# Altium PCB fpgav2.2.PcbDoc (part 4 of 5)
Units mm, origin at the board's own origin, x right, y up, seen from the top; angles counter-clockwise.
Board outline 100 x 100 mm, 4 copper layers (Top Layer, S1, S2, Bottom Layer), stack 1.853 mm thick; 11 components, 223 nets, 672 pads, 762 vias.
Unrouted connection lines stored in the file: 7.
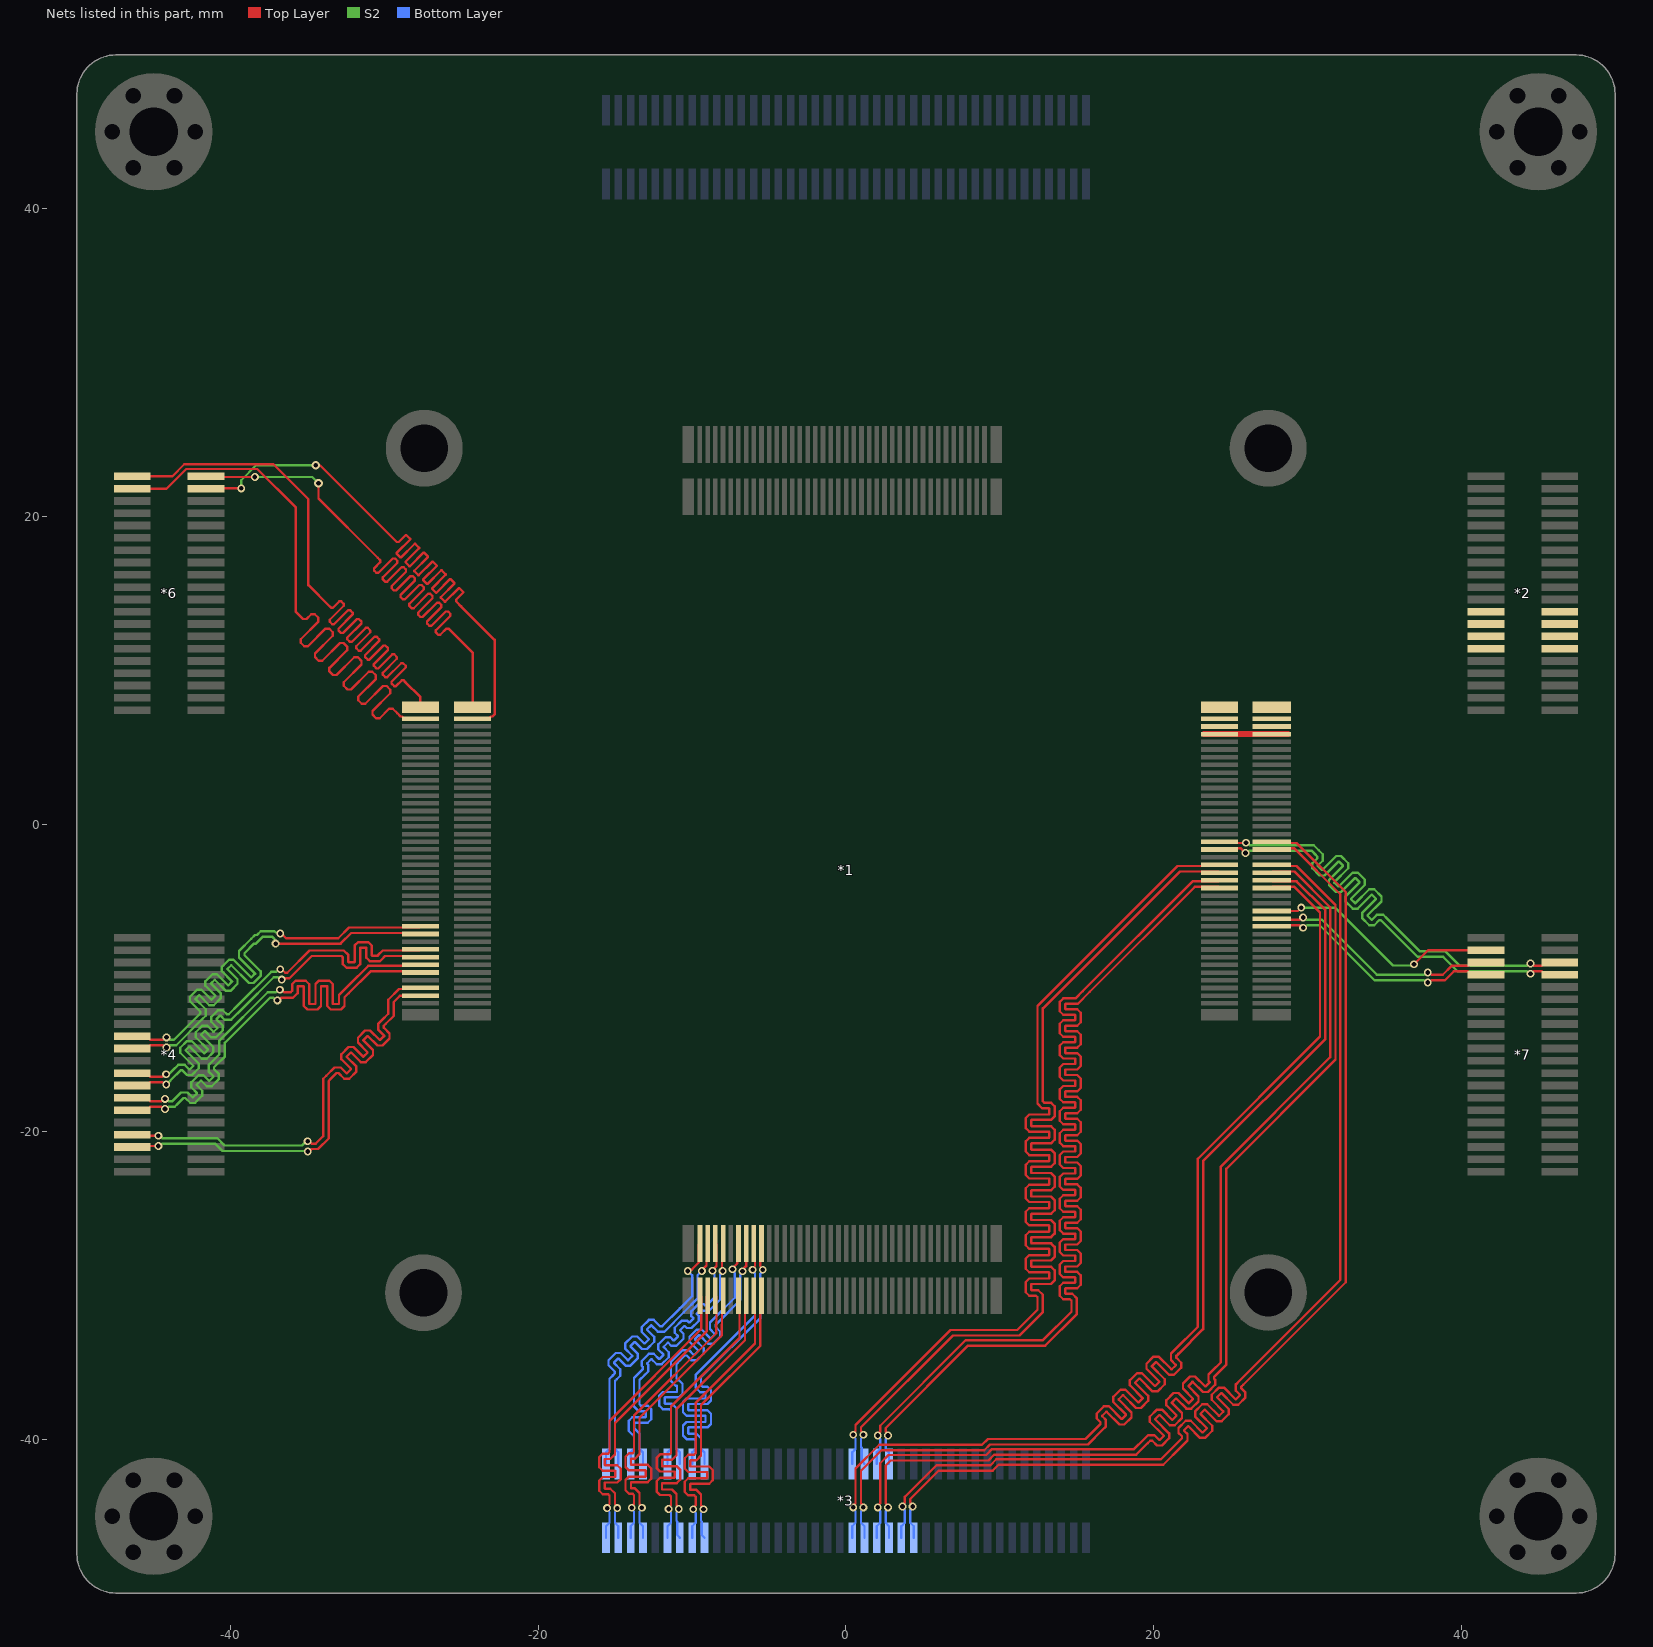
[diagram p6: the nets of this part, all layers, seen from the top]

## Via types
v1: diameter 0.508, hole 0.305, Top Layer to Bottom Layer, 418 vias
v2: diameter 0.635, hole 0.381, Top Layer to Bottom Layer, 340 vias
v3: diameter 0.559, hole 0.305, Top Layer to Bottom Layer, 4 vias

## Nets (pads, with @x,y where several pads share a name; then routed paths per layer and width w, separated by ;. In a path a pad name is that pad's centre, name@x,y a point inside that pad or via, vN(x,y) a via of type N, cw(c..) or ccw(c..) an arc to the next point about the centre after c; other vN are vias at no path point) (continued)
B16_L13_N: *1.303 *3.66 | length 20.9
  Top Layer w0.152: *1.303@-5.991,-27.272 -5.919,-27.344 -5.919,-28.733
  Bottom Layer w0.152: *3.66@-10,-41.6 -10,-40.85 -9.778,-40.628 -9.778,-40.259 -9.778,-40.079 -9.867,-39.989 -10.372,-39.989 -10.601,-39.761 -10.601,-39.1 -10.372,-38.872 -9.15,-38.872 -9.13,-38.851 -9.13,-38.486 -9.15,-38.465 -10.372,-38.465 -10.601,-38.237 -10.601,-37.576 -10.372,-37.348 -9.15,-37.348 -9.13,-37.327 -9.13,-36.962 -9.15,-36.941 -9.48,-36.941 -9.778,-36.644 -9.778,-36.046 -9.778,-35.818 -5.919,-31.959 -5.919,-29.23 -6.071,-29.078 v1(-6.071,-28.981)
B16_L13_P: *1.301 *3.64 | length 20.9
  Top Layer w0.152: -5.563,-28.733 -5.563,-27.344 *1.301@-5.491,-27.272
  Bottom Layer w0.152: *3.64@-9.2,-41.6 -9.2,-40.85 -9.422,-40.628 -9.422,-40.259 -9.422,-39.931 -9.72,-39.634 -10.225,-39.634 -10.245,-39.613 -10.245,-39.248 -10.225,-39.227 -9.003,-39.227 -8.774,-38.999 -8.774,-38.338 -9.003,-38.11 -10.225,-38.11 -10.245,-38.089 -10.245,-37.724 -10.225,-37.703 -9.003,-37.703 -8.774,-37.475 -8.774,-36.814 -9.003,-36.586 -9.333,-36.586 -9.422,-36.496 -9.422,-36.046 -9.422,-35.965 -5.563,-32.106 -5.563,-29.23 -5.411,-29.078 v1(-5.411,-28.981)
B16_L14_N: *1.304 *3.65 | length 20.9
  Top Layer w0.152: v1(-9.93,-44.552) -9.93,-44.455 -9.778,-44.303 -9.778,-43.917 -9.778,-43.736 -9.867,-43.647 -10.252,-43.647 -10.481,-43.418 -10.481,-42.758 -10.252,-42.529 -9.036,-42.529 -9.016,-42.509 -9.016,-42.143 -9.036,-42.123 -10.252,-42.123 -10.481,-41.894 -10.481,-41.234 -10.252,-41.005 -9.867,-41.005 -9.778,-40.916 -9.778,-40.628 -9.778,-37.633 -5.919,-33.774 -5.919,-30.743 *1.304@-5.991,-30.671
  Bottom Layer w0.152: *3.65@-10,-46.4 -10,-45.65 -9.778,-45.428 -9.778,-45.024 -9.778,-44.8
B16_L14_P: *1.302 *3.63 | length 20.9
  Top Layer w0.152: v1(-9.27,-44.552) -9.27,-44.455 -9.422,-44.303 -9.422,-43.917 -9.422,-43.589 -9.72,-43.291 -10.105,-43.291 -10.125,-43.271 -10.125,-42.905 -10.105,-42.885 -8.889,-42.885 -8.66,-42.656 -8.66,-41.996 -8.889,-41.767 -10.105,-41.767 -10.125,-41.747 -10.125,-41.381 -10.105,-41.361 -9.72,-41.361 -9.422,-41.063 -9.422,-40.628 -9.422,-37.78 -5.563,-33.922 -5.563,-30.743 *1.302@-5.491,-30.671
  Bottom Layer w0.152: -9.422,-44.8 -9.422,-45.171 -9.422,-45.298 -9.374,-45.346 -9.374,-46.226 *3.63@-9.2,-46.4
B16_L15_N: *1.307 *3.70 | length 21.1
  Top Layer w0.152: v1(-7.373,-28.944) -7.373,-28.878 -7.065,-28.57 -7.065,-27.346 *1.307@-6.991,-27.272
  Bottom Layer w0.152: *3.70@-11.6,-41.6 -11.6,-40.85 -11.378,-40.628 -11.378,-39.624 -11.378,-38.129 -11.467,-38.039 -11.911,-38.039 -12.14,-37.811 -12.14,-37.15 -11.911,-36.922 -11.005,-36.922 -10.984,-36.902 -10.984,-36.536 -11.005,-36.515 -11.08,-36.515 -11.378,-36.218 -11.378,-35.89 -11.378,-34.951 -11.035,-34.609 -10.628,-34.202 -10.208,-34.202 -9.894,-34.516 -9.865,-34.516 -9.606,-34.257 -9.606,-34.228 -10.174,-33.661 -10.174,-33.338 -9.707,-32.871 -9.383,-32.871 -8.816,-33.438 -8.787,-33.438 -8.529,-33.179 -8.529,-33.151 -8.843,-32.837 -8.843,-32.416 -8.611,-32.184 -7.227,-30.8 -7.227,-29.187 -7.373,-29.041 v1(-7.373,-28.944)
B16_L15_P: *1.305 *3.68 | length 21.1
  Top Layer w0.152: v1(-6.725,-29.073) -6.725,-28.977 -6.491,-28.743 -6.491,-27.416 -6.564,-27.344 *1.305@-6.491,-27.272
  Bottom Layer w0.152: *3.68@-10.8,-41.6 -10.8,-40.85 -11.022,-40.628 -11.022,-39.624 -11.022,-37.981 -11.32,-37.684 -11.764,-37.684 -11.784,-37.664 -11.784,-37.298 -11.764,-37.277 -10.857,-37.277 -10.629,-37.049 -10.629,-36.388 -10.857,-36.16 -10.933,-36.16 -11.022,-36.071 -11.022,-35.89 -11.022,-35.098 -10.784,-34.86 -10.481,-34.557 -10.355,-34.557 -10.041,-34.871 -9.717,-34.871 -9.251,-34.404 -9.251,-34.081 -9.818,-33.514 -9.818,-33.485 -9.559,-33.226 -9.531,-33.226 -8.963,-33.794 -8.64,-33.794 -8.173,-33.327 -8.173,-33.003 -8.487,-32.689 -8.487,-32.563 -8.359,-32.436 -6.871,-30.948 -6.871,-29.316 -6.725,-29.17 v1(-6.725,-29.073)
B16_L16_N: *1.308 *3.69 | length 21.1
  Top Layer w0.152: v1(-11.53,-44.526) -11.53,-44.43 -11.378,-44.278 -11.378,-43.891 -11.378,-43.711 -11.467,-43.622 -12.086,-43.622 -12.314,-43.393 -12.314,-42.733 -12.086,-42.504 -11.161,-42.504 -11.14,-42.484 -11.14,-42.118 -11.161,-42.098 -12.086,-42.098 -12.314,-41.869 -12.314,-41.209 -12.086,-40.98 -11.467,-40.98 -11.378,-40.891 -11.378,-39.421 -11.378,-37.877 -6.919,-33.419 -6.919,-30.743 *1.308@-6.991,-30.671
  Bottom Layer w0.152: *3.69@-11.6,-46.4 -11.6,-45.65 -11.378,-45.428 -11.378,-45.024 -11.378,-44.775
B16_L16_P: *1.306 *3.67 | length 21.1
  Top Layer w0.152: v1(-10.87,-44.526) -10.87,-44.43 -11.022,-44.278 -11.022,-43.891 -11.022,-43.564 -11.32,-43.266 -11.938,-43.266 -11.959,-43.246 -11.959,-42.88 -11.938,-42.86 -11.013,-42.86 -10.785,-42.631 -10.785,-41.971 -11.013,-41.742 -11.938,-41.742 -11.959,-41.722 -11.959,-41.356 -11.938,-41.336 -11.32,-41.336 -11.022,-41.038 -11.022,-39.421 -11.022,-38.025 -6.563,-33.566 -6.563,-30.743 *1.306@-6.491,-30.671
  Bottom Layer w0.152: -11.022,-44.775 -11.022,-45.171 -11.022,-45.298 -10.974,-45.346 -10.974,-46.226 *3.67@-10.8,-46.4
B16_L17_N: *1.313 *3.76 | length 21.4
  Top Layer w0.152: v1(-8.682,-29.038) -8.682,-29.007 -8.419,-28.744 -8.419,-27.344 *1.313@-8.491,-27.272
  Bottom Layer w0.152: *3.76@-14,-41.6 -14,-40.85 -13.778,-40.628 -13.778,-40.056 -13.778,-39.78 -13.867,-39.69 -13.89,-39.69 -14.119,-39.462 -14.119,-38.801 -13.89,-38.573 -13.036,-38.573 -13.016,-38.553 -13.016,-38.187 -13.036,-38.166 -13.48,-38.166 -13.778,-37.869 -13.778,-37.541 -13.778,-36.008 -13.332,-35.563 -13.205,-35.435 -13.205,-35.309 -13.282,-35.231 -13.282,-34.908 -12.815,-34.441 -12.492,-34.441 -12.161,-34.772 -12.133,-34.772 -11.874,-34.513 -11.874,-34.485 -12.205,-34.154 -12.205,-33.831 -11.738,-33.364 -11.414,-33.364 -11.208,-33.57 -11.179,-33.57 -10.92,-33.312 -10.92,-33.283 -11.127,-33.076 -11.127,-32.753 -10.66,-32.286 -10.337,-32.286 -10.211,-32.412 -10.182,-32.412 -9.923,-32.153 -9.923,-32.125 -10.049,-31.999 -10.049,-31.675 -9.582,-31.208 -9.259,-31.208 -9.182,-31.286 -9.056,-31.286 -8.805,-31.035 -8.545,-30.775 -8.545,-29.27 -8.682,-29.133 v1(-8.682,-29.038)
B16_L17_P: *1.311 *3.74 | length 21.4
  Top Layer w0.152: v1(-8.023,-29.065) -8.064,-29.024 -8.064,-27.344 *1.311@-7.991,-27.272
  Bottom Layer w0.152: *3.74@-13.2,-41.6 -13.2,-40.85 -13.422,-40.628 -13.422,-40.056 -13.422,-39.632 -13.72,-39.335 -13.743,-39.335 -13.763,-39.315 -13.763,-38.949 -13.743,-38.928 -12.889,-38.928 -12.66,-38.7 -12.66,-38.039 -12.889,-37.811 -13.333,-37.811 -13.422,-37.722 -13.422,-37.541 -13.422,-36.155 -13.081,-35.814 -12.849,-35.582 -12.849,-35.161 -12.927,-35.084 -12.927,-35.055 -12.668,-34.797 -12.639,-34.797 -12.309,-35.127 -11.985,-35.127 -11.518,-34.661 -11.518,-34.337 -11.849,-34.007 -11.849,-33.978 -11.59,-33.719 -11.562,-33.719 -11.355,-33.926 -11.032,-33.926 -10.565,-33.459 -10.565,-33.136 -10.771,-32.929 -10.771,-32.9 -10.513,-32.642 -10.484,-32.642 -10.358,-32.768 -10.035,-32.768 -9.568,-32.301 -9.568,-31.977 -9.694,-31.851 -9.694,-31.823 -9.435,-31.564 -9.406,-31.564 -9.329,-31.641 -8.908,-31.641 -8.554,-31.287 -8.19,-30.923 -8.19,-29.328 -8.023,-29.161 v1(-8.023,-29.065)
B16_L18_N: *1.314 *3.75 | length 21
  Top Layer w0.152: v1(-13.93,-44.45) -13.93,-44.354 -13.778,-44.201 -13.778,-43.815 -13.778,-43.635 -13.867,-43.545 -14.104,-43.545 -14.332,-43.317 -14.332,-42.656 -14.104,-42.428 -13.036,-42.428 -13.016,-42.407 -13.016,-42.042 -13.036,-42.021 -14.104,-42.021 -14.332,-41.793 -14.332,-41.132 -14.104,-40.904 -13.867,-40.904 -13.778,-40.814 -13.778,-40.628 -13.778,-38.446 -8.433,-33.101 -8.433,-32.393 -8.419,-32.38 -8.419,-30.743 *1.314@-8.491,-30.671
  Bottom Layer w0.152: *3.75@-14,-46.4 -14,-45.65 -13.778,-45.428 -13.778,-45.024 -13.778,-44.699
B16_L18_P: *1.312 *3.73 | length 21
  Top Layer w0.152: v1(-13.27,-44.45) -13.27,-44.354 -13.422,-44.201 -13.422,-43.815 -13.422,-43.487 -13.72,-43.19 -13.957,-43.19 -13.977,-43.169 -13.977,-42.804 -13.957,-42.783 -12.889,-42.783 -12.66,-42.555 -12.66,-41.894 -12.889,-41.666 -13.957,-41.666 -13.977,-41.645 -13.977,-41.28 -13.957,-41.259 -13.72,-41.259 -13.422,-40.962 -13.422,-40.628 -13.422,-38.594 -8.077,-33.249 -8.077,-32.541 -8.064,-32.527 -8.064,-30.743 *1.312@-7.991,-30.671
  Bottom Layer w0.152: -13.422,-44.699 -13.422,-45.171 -13.422,-45.428 -13.2,-45.65 *3.73@-13.2,-46.4
B16_L19_N: *1.317 *3.80 | length 21.6
  Top Layer w0.152: v1(-10.287,-29.058) -10.219,-28.99 -10.051,-28.99 -9.881,-28.819 -9.881,-28.81 -9.565,-28.494 -9.565,-27.346 *1.317@-9.491,-27.272
  Bottom Layer w0.152: *3.80@-15.6,-41.6 -15.6,-40.85 -15.378,-40.628 -15.378,-36.07 -15.156,-35.848 -15.028,-35.72 -15.028,-35.594 -15.439,-35.183 -15.439,-34.86 -14.972,-34.393 -14.648,-34.393 -14.189,-34.853 -14.16,-34.853 -13.901,-34.594 -13.901,-34.565 -14.361,-34.106 -14.361,-33.782 -13.894,-33.315 -13.571,-33.315 -13.111,-33.775 -13.082,-33.775 -12.824,-33.516 -12.824,-33.488 -13.283,-33.028 -13.283,-32.705 -12.816,-32.238 -12.493,-32.238 -12.083,-32.648 -11.956,-32.648 -10.799,-31.492 -10.006,-30.698 -10.006,-29.342 -10.287,-29.061 v1(-10.287,-29.058)
B16_L19_P: *1.315 *3.78 | length 21.4
  Top Layer w0.152: v1(-9.37,-29.065) -9.37,-29.006 -9.065,-28.701 -9.065,-28.396 -8.992,-28.322 *1.315@-8.992,-27.272
  Bottom Layer w0.152: *3.78@-14.8,-41.6 -14.8,-40.85 -15.022,-40.628 -15.022,-36.217 -14.904,-36.099 -14.672,-35.867 -14.672,-35.447 -15.083,-35.036 -15.083,-35.007 -14.824,-34.749 -14.796,-34.749 -14.336,-35.208 -14.013,-35.208 -13.546,-34.741 -13.546,-34.418 -14.005,-33.958 -14.005,-33.93 -13.747,-33.671 -13.718,-33.671 -13.258,-34.131 -12.935,-34.131 -12.468,-33.664 -12.468,-33.34 -12.928,-32.881 -12.928,-32.852 -12.669,-32.593 -12.64,-32.593 -12.23,-33.004 -11.809,-33.004 -10.548,-31.743 -9.651,-30.846 -9.651,-29.342 -9.374,-29.065 v1(-9.37,-29.065)
B16_L20_N: *1.318 *3.79 | length 20.9
  Top Layer w0.152: v1(-15.53,-44.475) -15.53,-44.379 -15.378,-44.227 -15.378,-43.84 -15.378,-43.66 -15.467,-43.571 -15.815,-43.571 -16.044,-43.342 -16.044,-42.682 -15.815,-42.453 -15.013,-42.453 -14.992,-42.433 -14.992,-42.067 -15.013,-42.047 -15.815,-42.047 -16.044,-41.818 -16.044,-41.158 -15.815,-40.929 -15.467,-40.929 -15.378,-40.84 -15.378,-40.31 -15.378,-38.802 -9.419,-32.843 -9.419,-30.743 *1.318@-9.491,-30.671
  Bottom Layer w0.152: *3.79@-15.6,-46.4 -15.6,-45.65 -15.378,-45.428 -15.378,-45.024 -15.378,-44.724
B16_L20_P: *1.316 *3.77 | length 20.9
  Top Layer w0.152: v1(-14.87,-44.475) -14.87,-44.379 -15.022,-44.227 -15.022,-43.84 -15.022,-43.513 -15.32,-43.215 -15.668,-43.215 -15.688,-43.195 -15.688,-42.829 -15.668,-42.809 -14.865,-42.809 -14.637,-42.58 -14.637,-41.92 -14.865,-41.691 -15.668,-41.691 -15.688,-41.671 -15.688,-41.305 -15.668,-41.285 -15.32,-41.285 -15.022,-40.987 -15.022,-40.31 -15.022,-38.949 -9.064,-32.99 -9.064,-30.743 *1.316@-8.991,-30.671
  Bottom Layer w0.152: -15.022,-44.724 -15.022,-45.171 -15.022,-45.428 -14.8,-45.65 *3.77@-14.8,-46.4
B16_L21_N: *1.166 *4.5 | length 31.2
  Top Layer w0.152: *4.5@-46.4,-21 -46.33,-20.93 v1(-44.704,-20.93) ; v1(-34.99,-21.296) -34.916,-21.296 -34.753,-21.133 -34.324,-21.133 -33.63,-20.439 -33.63,-16.704 -33.543,-16.617 -33.114,-16.188 -32.988,-16.188 -32.619,-16.557 -32.295,-16.557 -31.828,-16.091 -31.828,-15.767 -32.451,-15.144 -32.451,-15.115 -32.193,-14.857 -32.164,-14.857 -31.541,-15.48 -31.218,-15.48 -30.751,-15.013 -30.751,-14.69 -31.374,-14.066 -31.374,-14.038 -31.115,-13.779 -31.087,-13.779 -30.463,-14.402 -30.14,-14.402 -29.673,-13.935 -29.673,-13.612 -30.042,-13.243 -30.042,-13.117 -29.915,-12.989 -29.404,-12.479 -29.404,-11.568 -29.01,-11.174 -27.779,-11.174 -27.736,-11.218 *1.166@-27.671,-11.153
  S2 w0.152: v1(-44.704,-20.93) -44.608,-20.93 -44.455,-20.778 -41.022,-20.778 -40.541,-21.259 -35.028,-21.259 v1(-34.99,-21.296)
B16_L21_P: *1.168 *4.7 | length 31.4
  Top Layer w0.152: *4.7@-46.4,-20.2 -46.33,-20.27 v1(-44.704,-20.27) ; v1(-35.001,-20.625) -34.905,-20.625 -34.753,-20.777 -34.471,-20.777 -33.985,-20.291 -33.985,-16.557 -33.794,-16.366 -33.261,-15.833 -32.841,-15.833 -32.471,-16.202 -32.443,-16.202 -32.184,-15.943 -32.184,-15.915 -32.807,-15.291 -32.807,-14.968 -32.34,-14.501 -32.017,-14.501 -31.394,-15.124 -31.365,-15.124 -31.106,-14.866 -31.106,-14.837 -31.729,-14.214 -31.729,-13.89 -31.263,-13.424 -30.939,-13.424 -30.316,-14.047 -30.287,-14.047 -30.029,-13.788 -30.029,-13.759 -30.398,-13.39 -30.398,-12.969 -30.166,-12.738 -29.76,-12.331 -29.76,-11.421 -29.066,-10.727 -27.745,-10.727 *1.168@-27.671,-10.654
  S2 w0.152: v1(-44.704,-20.27) -44.608,-20.27 -44.455,-20.422 -40.875,-20.422 -40.394,-20.903 -35.368,-20.903 -35.097,-20.632 -35.097,-20.625 v1(-35.001,-20.625)
B16_L22_N: *1.178 *4.17 | length 30.9
  Top Layer w0.152: *4.17@-46.4,-16.2 -45.45,-16.2 -45.228,-16.422 -44.445,-16.422 ; v1(-36.78,-9.442) -36.684,-9.442 -36.453,-9.673 -36.326,-9.673 -34.879,-8.226 -34.121,-8.226 -32.647,-8.226 -32.35,-8.523 -32.35,-8.968 -32.33,-8.988 -31.964,-8.988 -31.943,-8.968 -31.943,-7.908 -31.715,-7.679 -31.054,-7.679 -30.826,-7.908 -30.826,-8.545 -30.806,-8.565 -30.44,-8.565 -30.419,-8.545 -30.419,-8.523 -30.122,-8.226 -29.794,-8.226 -27.743,-8.226 *1.178@-27.671,-8.154
  S2 w0.152: v1(-44.199,-16.266) -44.131,-16.198 -43.952,-16.198 -43.874,-16.121 -43.747,-15.993 -43.414,-15.66 -42.993,-15.66 -42.69,-15.964 -42.665,-15.964 -42.439,-15.737 -42.439,-15.712 -43.281,-14.869 -43.281,-14.55 -42.847,-14.115 -42.527,-14.115 -41.734,-14.908 -41.709,-14.908 -41.483,-14.682 -41.483,-14.656 -42.276,-13.864 -42.276,-13.544 -41.841,-13.109 -41.521,-13.109 -41.126,-13.505 -41.101,-13.505 -40.874,-13.278 -40.874,-13.253 -41.27,-12.858 -41.27,-12.538 -40.835,-12.103 -40.516,-12.103 -40.249,-12.37 -40.123,-12.37 -39.493,-11.739 -37.355,-9.602 -37.037,-9.602 -36.877,-9.442 v1(-36.78,-9.442)
B16_L22_P: *1.176 *4.15 | length 30.9
  Top Layer w0.152: *4.15@-46.4,-17 -45.45,-17 -45.228,-16.778 -44.445,-16.778 ; v1(-36.686,-10.118) -36.618,-10.049 -36.439,-10.049 -36.419,-10.029 -36.179,-10.029 -34.732,-8.581 -34.121,-8.581 -32.795,-8.581 -32.705,-8.671 -32.705,-9.115 -32.477,-9.343 -31.816,-9.343 -31.588,-9.115 -31.588,-8.055 -31.568,-8.035 -31.202,-8.035 -31.181,-8.055 -31.181,-8.692 -30.953,-8.921 -30.292,-8.921 -30.064,-8.692 -30.064,-8.671 -29.975,-8.581 -29.794,-8.581 -27.743,-8.581 *1.176@-27.671,-8.654
  S2 w0.152: v1@-44.181,-16.93 -43.623,-16.372 -43.519,-16.268 -43.495,-16.245 -43.267,-16.016 -43.14,-16.016 -42.837,-16.319 -42.518,-16.319 -42.083,-15.885 -42.083,-15.565 -42.926,-14.722 -42.926,-14.697 -42.7,-14.471 -42.674,-14.471 -41.881,-15.263 -41.562,-15.263 -41.127,-14.829 -41.127,-14.509 -41.92,-13.716 -41.92,-13.691 -41.694,-13.465 -41.669,-13.465 -41.273,-13.86 -40.953,-13.86 -40.519,-13.426 -40.519,-13.106 -40.914,-12.71 -40.914,-12.685 -40.688,-12.459 -40.663,-12.459 -40.397,-12.725 -39.976,-12.725 -39.241,-11.991 -37.208,-9.957 -36.942,-9.957 -36.782,-10.118 v1(-36.686,-10.118)
  other v1: -44.196,-16.93
B16_L23_N: *1.174 *4.13 | length 30.7
  Top Layer w0.152: *4.13@-46.4,-17.8 -45.45,-17.8 -45.228,-18.022 -44.521,-18.022 ; v1(-36.805,-10.77) -36.712,-10.77 -36.538,-10.944 -36.347,-10.944 -36.097,-10.944 -36.007,-10.855 -36.007,-10.413 -35.779,-10.184 -35.118,-10.184 -34.89,-10.413 -34.89,-11.686 -34.87,-11.706 -34.504,-11.706 -34.483,-11.686 -34.483,-10.411 -34.255,-10.182 -33.594,-10.182 -33.366,-10.411 -33.366,-11.686 -33.346,-11.706 -32.98,-11.706 -32.959,-11.686 -32.959,-11.121 -32.334,-10.495 -31.065,-9.226 -27.743,-9.226 *1.174@-27.671,-9.153
  S2 w0.152: v1(-44.272,-17.87) -44.176,-17.87 -44.024,-18.022 -43.79,-18.022 -43.719,-17.952 -43.223,-17.456 -42.803,-17.456 -42.489,-17.77 -42.46,-17.77 -42.201,-17.511 -42.201,-17.483 -42.564,-17.12 -42.564,-16.797 -42.097,-16.33 -41.774,-16.33 -41.411,-16.692 -41.382,-16.692 -41.124,-16.434 -41.124,-16.405 -41.438,-16.091 -41.438,-15.67 -41.206,-15.438 -40.736,-14.969 -40.736,-14.074 -37.597,-10.935 -37.066,-10.935 -36.901,-10.77 v1(-36.805,-10.77)
B16_L23_P: *1.172 *4.11 | length 30.7
  Top Layer w0.152: *4.11@-46.4,-18.6 -45.45,-18.6 -45.228,-18.378 -44.521,-18.378 ; v1(-36.967,-11.464) -36.87,-11.464 -36.705,-11.3 -36.347,-11.3 -35.949,-11.3 -35.652,-11.002 -35.652,-10.56 -35.632,-10.54 -35.266,-10.54 -35.245,-10.56 -35.245,-11.833 -35.017,-12.062 -34.356,-12.062 -34.128,-11.833 -34.128,-10.558 -34.108,-10.538 -33.742,-10.538 -33.721,-10.558 -33.721,-11.833 -33.493,-12.062 -32.832,-12.062 -32.604,-11.833 -32.604,-11.268 -32.334,-10.998 -30.917,-9.581 -27.743,-9.581 *1.172@-27.671,-9.654
  S2 w0.152: v1(-44.272,-18.53) -44.176,-18.53 -44.024,-18.378 -43.642,-18.378 -43.468,-18.203 -43.076,-17.812 -42.95,-17.812 -42.636,-18.126 -42.312,-18.126 -41.846,-17.659 -41.846,-17.335 -42.208,-16.973 -42.208,-16.944 -41.95,-16.685 -41.921,-16.685 -41.558,-17.048 -41.235,-17.048 -40.768,-16.581 -40.768,-16.258 -41.082,-15.944 -41.082,-15.817 -40.954,-15.69 -40.381,-15.116 -40.381,-14.221 -37.449,-11.29 -37.234,-11.29 -37.059,-11.464 v1(-36.967,-11.464)
B16_L24_N: *1.184 *4.23 | length 31.1
  Top Layer w0.152: *4.23@-46.4,-13.8 -45.45,-13.8 -45.228,-14.022 -44.419,-14.022 ; v1(-36.779,-7.123) -36.695,-7.123 -36.396,-7.422 -33.005,-7.422 -32.308,-6.726 -27.743,-6.726 *1.184@-27.671,-6.654
  S2 w0.152: v1(-44.171,-13.87) -44.074,-13.87 -43.922,-14.022 -43.688,-14.022 -42.111,-12.445 -41.983,-12.318 -41.983,-12.191 -42.65,-11.524 -42.65,-11.23 -42.191,-10.77 -41.896,-10.77 -41.244,-11.421 -40.993,-11.17 -41.645,-10.519 -41.645,-10.224 -41.574,-10.154 -41.185,-9.764 -40.89,-9.764 -40.162,-10.493 -39.91,-10.241 -40.576,-9.576 -40.576,-9.281 -40.116,-8.822 -39.821,-8.822 -38.665,-9.978 -38.414,-9.726 -39.461,-8.679 -39.461,-8.258 -38.668,-7.465 -38.416,-7.214 -38.294,-7.214 -38.047,-6.967 -37.161,-6.967 -37.073,-7.055 -36.847,-7.055 v1(-36.779,-7.123)
B16_L24_P: *1.182 *4.21 | length 31.2
  Top Layer w0.152: *4.21@-46.4,-14.6 -45.45,-14.6 -45.228,-14.378 -44.419,-14.378 ; v1(-37.081,-7.778) -32.857,-7.778 -32.161,-7.081 -27.743,-7.081 *1.182@-27.671,-7.154
  S2 w0.152: v1(-44.171,-14.53) -44.074,-14.53 -43.922,-14.378 -43.541,-14.378 -41.859,-12.697 -41.628,-12.465 -41.628,-12.044 -42.295,-11.377 -42.043,-11.126 -41.392,-11.777 -41.097,-11.777 -40.637,-11.317 -40.637,-11.023 -41.289,-10.371 -41.037,-10.12 -40.309,-10.848 -40.014,-10.848 -39.555,-10.389 -39.555,-10.094 -40.22,-9.429 -39.968,-9.177 -38.812,-10.333 -38.518,-10.333 -38.058,-9.874 -38.058,-9.579 -39.105,-8.532 -39.105,-8.406 -38.477,-7.778 -38.355,-7.778 -37.9,-7.323 -37.308,-7.323 -37.149,-7.482 -37.149,-7.71 v1(-37.081,-7.778)
B34_L18_N: *1.41 *3.40 | length 74.6
  Top Layer w0.152: v1(0.47,-39.7) 0.47,-39.604 0.622,-39.452 0.622,-39.07 6.8,-32.893 11.13,-32.893 12.446,-31.577 12.446,-30.937 12.446,-30.757 12.357,-30.668 11.913,-30.668 11.684,-30.439 11.684,-29.779 11.913,-29.55 13.188,-29.55 13.208,-29.53 13.208,-29.164 13.188,-29.144 11.913,-29.144 11.684,-28.915 11.684,-28.255 11.913,-28.026 13.188,-28.026 13.208,-28.006 13.208,-27.64 13.188,-27.62 11.913,-27.62 11.684,-27.391 11.684,-26.731 11.913,-26.502 13.188,-26.502 13.208,-26.482 13.208,-26.116 13.188,-26.096 11.913,-26.096 11.684,-25.867 11.684,-25.207 11.913,-24.978 13.188,-24.978 13.208,-24.958 13.208,-24.592 13.188,-24.572 11.913,-24.572 11.684,-24.343 11.684,-23.683 11.913,-23.454 13.188,-23.454 13.208,-23.434 13.208,-23.068 13.188,-23.048 11.913,-23.048 11.684,-22.819 11.684,-22.159 11.913,-21.93 13.188,-21.93 13.208,-21.91 13.208,-21.544 13.188,-21.524 11.913,-21.524 11.684,-21.295 11.684,-20.635 11.913,-20.406 13.188,-20.406 13.208,-20.386 13.208,-20.02 13.188,-20 11.913,-20 11.684,-19.771 11.684,-19.111 11.913,-18.882 13.188,-18.882 13.208,-18.862 13.208,-18.496 13.188,-18.476 12.744,-18.476 12.446,-18.178 12.446,-17.653 12.446,-11.842 21.557,-2.731 24.2,-2.731 *1.41@24.272,-2.659
  Bottom Layer w0.152: *3.40@0.4,-41.6 0.4,-40.85 0.622,-40.628 0.622,-40.224 0.622,-39.949
B34_L18_P: *1.43 *3.38 | length 74
  Top Layer w0.152: v1(1.13,-39.7) 1.13,-39.604 0.978,-39.452 0.978,-39.218 6.947,-33.249 11.278,-33.249 12.802,-31.725 12.802,-30.937 12.802,-30.61 12.504,-30.312 12.06,-30.312 12.04,-30.292 12.04,-29.926 12.06,-29.906 13.335,-29.906 13.564,-29.677 13.564,-29.017 13.335,-28.788 12.06,-28.788 12.04,-28.768 12.04,-28.402 12.06,-28.382 13.335,-28.382 13.564,-28.153 13.564,-27.493 13.335,-27.264 12.06,-27.264 12.04,-27.244 12.04,-26.878 12.06,-26.858 13.335,-26.858 13.564,-26.629 13.564,-25.969 13.335,-25.74 12.06,-25.74 12.04,-25.72 12.04,-25.354 12.06,-25.334 13.335,-25.334 13.564,-25.105 13.564,-24.445 13.335,-24.216 12.06,-24.216 12.04,-24.196 12.04,-23.83 12.06,-23.81 13.335,-23.81 13.564,-23.581 13.564,-22.921 13.335,-22.692 12.06,-22.692 12.04,-22.672 12.04,-22.306 12.06,-22.286 13.335,-22.286 13.564,-22.057 13.564,-21.397 13.335,-21.168 12.06,-21.168 12.04,-21.148 12.04,-20.782 12.06,-20.762 13.335,-20.762 13.564,-20.533 13.564,-19.873 13.335,-19.644 12.06,-19.644 12.04,-19.624 12.04,-19.258 12.06,-19.238 13.335,-19.238 13.564,-19.009 13.564,-18.349 13.335,-18.12 12.891,-18.12 12.802,-18.031 12.802,-17.653 12.802,-11.989 21.704,-3.086 24.2,-3.086 *1.43@24.272,-3.158
  Bottom Layer w0.152: 0.978,-39.949 0.978,-40.371 0.978,-40.498 1.026,-40.546 1.026,-41.426 *3.38@1.2,-41.6
B34_L19_N: *1.47 *3.34 | length 74.4
  Top Layer w0.152: v1(2.73,-39.751) 2.73,-39.655 2.578,-39.502 2.578,-39.268 7.937,-33.909 12.954,-33.909 15.011,-31.852 15.011,-31.166 15.011,-30.838 14.714,-30.541 14.267,-30.541 14.249,-30.523 14.249,-30.203 14.267,-30.185 15.039,-30.185 15.265,-29.959 15.265,-29.344 15.039,-29.118 14.267,-29.118 14.249,-29.1 14.249,-28.78 14.267,-28.763 15.039,-28.763 15.265,-28.536 15.265,-27.922 15.039,-27.696 14.267,-27.696 14.249,-27.678 14.249,-27.358 14.267,-27.34 15.039,-27.34 15.265,-27.114 15.265,-26.499 15.039,-26.273 14.267,-26.273 14.249,-26.256 14.249,-25.936 14.267,-25.918 15.039,-25.918 15.265,-25.692 15.265,-25.077 15.039,-24.851 14.267,-24.851 14.249,-24.833 14.249,-24.513 14.267,-24.495 15.039,-24.495 15.265,-24.269 15.265,-23.655 15.039,-23.429 14.267,-23.429 14.249,-23.411 14.249,-23.091 14.267,-23.073 15.039,-23.073 15.265,-22.847 15.265,-22.232 15.039,-22.006 14.267,-22.006 14.249,-21.988 14.249,-21.668 14.267,-21.651 15.039,-21.651 15.265,-21.424 15.265,-20.81 15.039,-20.584 14.267,-20.584 14.249,-20.566 14.249,-20.246 14.267,-20.228 15.039,-20.228 15.265,-20.002 15.265,-19.387 15.039,-19.161 14.267,-19.161 14.249,-19.144 14.249,-18.824 14.267,-18.806 15.039,-18.806 15.265,-18.58 15.265,-17.965 15.039,-17.739 14.267,-17.739 14.249,-17.721 14.249,-17.401 14.267,-17.383 15.039,-17.383 15.265,-17.157 15.265,-16.543 15.039,-16.317 14.267,-16.317 14.249,-16.299 14.249,-15.979 14.267,-15.961 15.039,-15.961 15.265,-15.735 15.265,-15.12 15.039,-14.894 14.267,-14.894 14.249,-14.876 14.249,-14.556 14.267,-14.539 15.039,-14.539 15.265,-14.312 15.265,-13.698 15.039,-13.472 14.267,-13.472 14.249,-13.454 14.249,-13.134 14.267,-13.116 15.039,-13.116 15.265,-12.89 15.265,-12.275 15.039,-12.049 14.267,-12.049 14.249,-12.032 14.249,-11.712 14.267,-11.694 15.063,-11.694 15.85,-10.908 22.671,-4.086 24.2,-4.086 *1.47@24.272,-4.158
  Bottom Layer w0.152: 2.578,-40 2.578,-40.628 2.8,-40.85 *3.34@2.8,-41.6
B34_L19_P: *1.45 *3.36 | length 75
  Top Layer w0.152: v1(2.07,-39.751) 2.07,-39.655 2.222,-39.502 2.222,-39.121 7.79,-33.553 12.807,-33.553 14.656,-31.704 14.656,-31.166 14.656,-30.985 14.567,-30.896 14.12,-30.896 13.894,-30.67 13.894,-30.055 14.12,-29.829 14.892,-29.829 14.91,-29.812 14.91,-29.492 14.892,-29.474 14.12,-29.474 13.894,-29.248 13.894,-28.633 14.12,-28.407 14.892,-28.407 14.91,-28.389 14.91,-28.069 14.892,-28.051 14.12,-28.051 13.894,-27.825 13.894,-27.211 14.12,-26.985 14.892,-26.985 14.91,-26.967 14.91,-26.647 14.892,-26.629 14.12,-26.629 13.894,-26.403 13.894,-25.788 14.12,-25.562 14.892,-25.562 14.91,-25.544 14.91,-25.224 14.892,-25.207 14.12,-25.207 13.894,-24.98 13.894,-24.366 14.12,-24.14 14.892,-24.14 14.91,-24.122 14.91,-23.802 14.892,-23.784 14.12,-23.784 13.894,-23.558 13.894,-22.943 14.12,-22.717 14.892,-22.717 14.91,-22.7 14.91,-22.38 14.892,-22.362 14.12,-22.362 13.894,-22.136 13.894,-21.521 14.12,-21.295 14.892,-21.295 14.91,-21.277 14.91,-20.957 14.892,-20.939 14.12,-20.939 13.894,-20.713 13.894,-20.099 14.12,-19.873 14.892,-19.873 14.91,-19.855 14.91,-19.535 14.892,-19.517 14.12,-19.517 13.894,-19.291 13.894,-18.676 14.12,-18.45 14.892,-18.45 14.91,-18.432 14.91,-18.112 14.892,-18.095 14.12,-18.095 13.894,-17.868 13.894,-17.254 14.12,-17.028 14.892,-17.028 14.91,-17.01 14.91,-16.69 14.892,-16.672 14.12,-16.672 13.894,-16.446 13.894,-15.831 14.12,-15.605 14.892,-15.605 14.91,-15.588 14.91,-15.268 14.892,-15.25 14.12,-15.25 13.894,-15.024 13.894,-14.409 14.12,-14.183 14.892,-14.183 14.91,-14.165 14.91,-13.845 14.892,-13.827 14.12,-13.827 13.894,-13.601 13.894,-12.987 14.12,-12.761 14.892,-12.761 14.91,-12.743 14.91,-12.423 14.892,-12.405 14.12,-12.405 13.894,-12.179 13.894,-11.564 14.12,-11.338 14.916,-11.338 15.391,-10.863 22.524,-3.731 24.2,-3.731 *1.45@24.272,-3.658
  Bottom Layer w0.152: *3.36@2,-41.6 2,-40.85 2.222,-40.628 2.222,-40
B34_L20_N: *1.38 *3.31 | length 74.3
  Top Layer w0.152: v1(3.67,-44.374) 3.67,-44.278 3.822,-44.125 3.822,-43.744 5.885,-41.681 9.389,-41.681 9.77,-41.3 20.476,-41.3 21.566,-40.21 21.841,-39.935 21.841,-39.809 21.621,-39.588 21.621,-39.264 22.088,-38.798 22.411,-38.798 23.164,-39.551 23.193,-39.551 23.452,-39.292 23.452,-39.264 22.698,-38.51 22.698,-38.187 23.165,-37.72 23.488,-37.72 24.242,-38.473 24.271,-38.473 24.529,-38.215 24.529,-38.186 23.776,-37.433 23.776,-37.109 24.243,-36.642 24.566,-36.642 25.319,-37.396 25.348,-37.396 25.607,-37.137 25.607,-37.108 25.348,-36.849 25.348,-36.428 25.579,-36.197 32.131,-29.645 32.131,-4.568 29.15,-1.586 27.743,-1.586 *1.38@27.671,-1.659
  Bottom Layer w0.152: *3.31@3.6,-46.4 3.6,-45.65 3.822,-45.428 3.822,-45.024 3.822,-44.622
B34_L20_P: *1.36 *3.29 | length 74.9
  Top Layer w0.152: v1(4.33,-44.374) 4.33,-44.278 4.178,-44.125 4.178,-43.891 6.032,-42.037 9.536,-42.037 9.917,-41.656 20.623,-41.656 21.818,-40.461 22.197,-40.082 22.197,-39.661 21.976,-39.44 21.976,-39.412 22.235,-39.153 22.264,-39.153 23.017,-39.906 23.34,-39.906 23.807,-39.44 23.807,-39.116 23.054,-38.363 23.054,-38.334 23.312,-38.075 23.341,-38.075 24.095,-38.829 24.418,-38.829 24.885,-38.362 24.885,-38.039 24.131,-37.285 24.131,-37.256 24.39,-36.998 24.419,-36.998 25.172,-37.751 25.496,-37.751 25.962,-37.284 25.962,-36.961 25.703,-36.702 25.703,-36.576 25.831,-36.448 32.487,-29.792 32.487,-4.42 29.297,-1.231 27.743,-1.231 *1.36@27.671,-1.158
  Bottom Layer w0.152: 4.178,-44.622 4.178,-45.171 4.178,-45.428 4.4,-45.65 *3.29@4.4,-46.4
B34_L21_N: *1.42 *3.33 | length 74.9
  Top Layer w0.152: v1(2.73,-44.425) 2.73,-44.328 2.578,-44.176 2.578,-41.707 2.908,-41.377 9.263,-41.377 9.644,-40.996 18.872,-40.996 19.621,-40.246 19.777,-40.091 19.903,-40.091 20.217,-40.405 20.54,-40.405 21.007,-39.938 21.007,-39.615 20.106,-38.713 20.106,-38.684 20.364,-38.426 20.393,-38.426 21.049,-39.082 21.372,-39.082 21.839,-38.615 21.839,-38.291 21.183,-37.636 21.183,-37.607 21.442,-37.348 21.471,-37.348 22.127,-38.004 22.45,-38.004 22.917,-37.537 22.917,-37.214 22.261,-36.558 22.261,-36.529 22.52,-36.271 22.548,-36.271 23.204,-36.926 23.528,-36.926 23.995,-36.459 23.995,-36.136 23.926,-36.068 23.926,-35.942 24.054,-35.814 24.729,-35.139 24.729,-22.414 31.826,-15.316 31.826,-5.26 29.297,-2.731 27.743,-2.731 *1.42@27.671,-2.658
  Bottom Layer w0.152: 2.578,-44.673 2.578,-45.428 2.8,-45.65 *3.33@2.8,-46.4
B34_L21_P: *1.44 *3.35 | length 74.3
  Top Layer w0.152: v1(2.07,-44.425) 2.07,-44.328 2.222,-44.176 2.222,-41.56 2.761,-41.021 9.115,-41.021 9.496,-40.64 18.725,-40.64 19.37,-39.995 19.63,-39.735 20.05,-39.735 20.364,-40.049 20.393,-40.049 20.652,-39.791 20.652,-39.762 19.75,-38.86 19.75,-38.537 20.217,-38.07 20.54,-38.07 21.196,-38.726 21.225,-38.726 21.484,-38.467 21.484,-38.439 20.828,-37.783 20.828,-37.459 21.295,-36.993 21.618,-36.993 22.274,-37.648 22.303,-37.648 22.561,-37.39 22.561,-37.361 21.905,-36.705 21.905,-36.382 22.372,-35.915 22.696,-35.915 23.352,-36.571 23.38,-36.571 23.639,-36.312 23.639,-36.283 23.571,-36.215 23.571,-35.794 23.802,-35.563 24.373,-34.992 24.373,-22.266 31.471,-15.169 31.471,-5.407 29.15,-3.086 27.743,-3.086 *1.44@27.671,-3.158
  Bottom Layer w0.152: *3.35@2,-46.4 2,-45.65 2.222,-45.428 2.222,-44.673
B34_L22_N: *1.48 *3.39 | length 74.5
  Top Layer w0.152: v1(0.47,-44.425) 0.47,-44.328 0.622,-44.176 0.622,-41.903 2.164,-40.361 8.842,-40.361 9.223,-39.98 15.575,-39.98 16.411,-39.144 16.54,-39.014 16.54,-38.888 16.298,-38.646 16.298,-38.323 16.765,-37.856 17.089,-37.856 17.918,-38.685 17.947,-38.685 18.206,-38.427 18.206,-38.398 17.376,-37.568 17.376,-37.245 17.843,-36.778 18.166,-36.778 18.996,-37.608 19.025,-37.608 19.283,-37.349 19.283,-37.32 18.454,-36.491 18.454,-36.167 18.921,-35.701 19.244,-35.701 20.074,-36.53 20.102,-36.53 20.361,-36.272 20.361,-36.243 19.531,-35.413 19.531,-35.09 19.998,-34.623 20.321,-34.623 21.151,-35.453 21.18,-35.453 21.439,-35.194 21.439,-35.165 21.125,-34.851 21.125,-34.43 21.356,-34.199 22.863,-32.692 22.863,-21.77 30.81,-13.823 30.81,-5.747 29.15,-4.086 27.743,-4.086 *1.48@27.671,-4.158
  Bottom Layer w0.152: *3.39@0.4,-46.4 0.4,-45.65 0.622,-45.428 0.622,-45.024 0.622,-44.673
B34_L22_P: *1.46 *3.37 | length 75.1
  Top Layer w0.152: v1(1.13,-44.425) 1.13,-44.328 0.978,-44.176 0.978,-42.05 2.311,-40.716 8.989,-40.716 9.37,-40.335 15.723,-40.335 16.662,-39.395 16.896,-39.162 16.896,-38.741 16.654,-38.499 16.654,-38.47 16.913,-38.211 16.941,-38.211 17.771,-39.041 18.094,-39.041 18.561,-38.574 18.561,-38.251 17.732,-37.421 17.732,-37.392 17.99,-37.134 18.019,-37.134 18.849,-37.963 19.172,-37.963 19.639,-37.497 19.639,-37.173 18.809,-36.343 18.809,-36.315 19.068,-36.056 19.097,-36.056 19.926,-36.886 20.25,-36.886 20.717,-36.419 20.717,-36.096 19.887,-35.266 19.887,-35.237 20.145,-34.978 20.174,-34.978 21.004,-35.808 21.327,-35.808 21.794,-35.341 21.794,-35.018 21.48,-34.704 21.48,-34.578 21.608,-34.45 23.218,-32.84 23.218,-21.918 31.166,-13.97 31.166,-5.599 29.297,-3.731 27.743,-3.731 *1.46@27.671,-3.658
  Bottom Layer w0.152: 0.978,-44.673 0.978,-45.171 0.978,-45.428 1.2,-45.65 *3.37@1.2,-46.4
B34_L23_N: *1.37 *7.7 | length 35
  Top Layer w0.152: *1.37@24.272,-1.659 24.344,-1.586 25.68,-1.586 25.971,-1.878 v1(25.971,-1.884) ; 44.704,-9.578 45.228,-9.578 45.45,-9.8 *7.7@46.4,-9.8
  S2 w0.152: v1(25.971,-1.884) 26.067,-1.884 26.219,-1.732 30.256,-1.732 30.48,-1.956 30.635,-2.111 30.635,-2.237 30.318,-2.555 30.318,-2.878 30.785,-3.345 31.108,-3.345 32.013,-2.44 32.042,-2.44 32.301,-2.699 32.301,-2.727 31.396,-3.632 31.396,-3.956 31.863,-4.423 32.186,-4.423 33.091,-3.518 33.12,-3.518 33.378,-3.776 33.378,-3.805 32.473,-4.71 32.473,-5.033 32.94,-5.5 33.264,-5.5 34.168,-4.595 34.197,-4.595 34.456,-4.854 34.456,-4.883 33.551,-5.788 33.551,-6.111 34.018,-6.578 34.341,-6.578 34.659,-6.261 34.785,-6.261 34.912,-6.388 37.16,-8.636 38.817,-8.636 39.759,-9.578 44.252,-9.578 44.405,-9.73 v1(44.501,-9.73)
B34_L23_P: *1.35 *7.5 | length 34.9
  Top Layer w0.152: *1.35@24.272,-1.158 24.344,-1.231 25.993,-1.231 v1(26,-1.224) ; 44.704,-9.222 45.228,-9.222 45.45,-9 *7.5@46.4,-9
  S2 w0.152: v1(26,-1.224) 26.096,-1.224 26.248,-1.376 30.403,-1.376 30.731,-1.704 30.991,-1.964 30.991,-2.385 30.674,-2.702 30.674,-2.731 30.932,-2.989 30.961,-2.989 31.866,-2.085 32.189,-2.085 32.656,-2.551 32.656,-2.875 31.751,-3.78 31.751,-3.808 32.01,-4.067 32.039,-4.067 32.944,-3.162 33.267,-3.162 33.734,-3.629 33.734,-3.952 32.829,-4.857 32.829,-4.886 33.087,-5.145 33.116,-5.145 34.021,-4.24 34.344,-4.24 34.811,-4.707 34.811,-5.03 33.906,-5.935 33.906,-5.964 34.165,-6.222 34.194,-6.222 34.511,-5.905 34.932,-5.905 35.164,-6.137 37.307,-8.28 38.965,-8.28 39.907,-9.222 44.252,-9.222 44.405,-9.07 v1(44.501,-9.07)
B34_L24_N: *1.58 *7.8 | length 15.4
  Top Layer w0.152: *1.58@27.671,-6.659 27.743,-6.586 29.469,-6.586 ; 38.069,-10.157 38.941,-10.157 39.52,-9.578 40.428,-9.578 40.65,-9.8 *7.8@41.6,-9.8
  S2 w0.152: v1(29.718,-6.744) 29.809,-6.744 29.967,-6.586 30.792,-6.586 34.364,-10.157 37.572,-10.157 37.724,-10.31 v1(37.821,-10.31)
B34_L24_P: *1.56 *7.6 | length 15.4
  Top Layer w0.152: *1.56@27.671,-6.158 27.743,-6.231 29.469,-6.231 ; 38.069,-9.802 38.793,-9.802 39.373,-9.222 40.428,-9.222 40.65,-9 *7.6@41.6,-9
  S2 w0.152: v1(29.719,-6.083) 29.815,-6.083 29.962,-6.231 30.94,-6.231 34.511,-9.802 37.572,-9.802 37.724,-9.649 v1(37.821,-9.649)
B34_L25: *1.54 *7.4 | length 16
  Top Layer w0.152: *1.54@27.671,-5.658 29.368,-5.658 v1(29.591,-5.436) ; v1(36.932,-9.119) 37.85,-8.2 *7.4@41.6,-8.2
  S2 w0.152: v1(29.591,-5.436) 31.797,-5.436 35.557,-9.195 36.805,-9.195 36.881,-9.119 v1(36.932,-9.119)
fpga5V: *1.1 *1.2 *1.3 *1.4 *1.5 *1.6 *1.7 *1.8 *2.23 *2.24 *2.25 *2.26 *2.27 *2.28 *2.29 *2.30 | length 5.5
  Top Layer w0.381: *1.7@23.266,5.841 *1.7@24.272,5.841 *1.8@27.671,5.841 *1.8@28.727,5.841
FPGA_TCK: *1.237 *6.38 | length 47.5
  Top Layer w0.152: *6.38@-41.6,21.8 -41.581,21.819 v1(-39.319,21.819) ; v3@-34.493,23.292 -34.164,23.292 -29.257,18.385 -29.203,18.331 -29.077,18.331 -28.615,18.792 -28.587,18.792 -28.328,18.534 -28.328,18.505 -29.215,17.618 -29.215,17.589 -28.957,17.33 -28.928,17.33 -28.041,18.218 -28.012,18.218 -27.753,17.959 -27.753,17.93 -28.641,17.043 -28.641,17.014 -28.382,16.755 -28.353,16.755 -27.466,17.643 -27.437,17.643 -27.179,17.384 -27.179,17.356 -28.066,16.468 -28.066,16.439 -27.807,16.181 -27.779,16.181 -26.891,17.068 -26.862,17.068 -26.604,16.81 -26.604,16.781 -27.491,15.893 -27.491,15.865 -27.233,15.606 -27.204,15.606 -26.316,16.493 -26.288,16.493 -26.029,16.235 -26.029,16.206 -26.917,15.319 -26.917,15.29 -26.658,15.031 -26.629,15.031 -25.742,15.919 -25.713,15.919 -25.454,15.66 -25.454,15.631 -26.342,14.744 -26.342,14.715 -26.083,14.457 -26.054,14.457 -25.167,15.344 -25.138,15.344 -24.88,15.085 -24.88,15.057 -25.341,14.595 -25.341,14.469 -25.019,14.147 -22.843,11.971 -22.843,7.127 -22.977,6.993 -23.076,6.993 -23.222,6.847 *1.237@-24.272,6.847
  S2 w0.152: v1(-39.319,21.819) -39.319,22.349 -38.351,23.317 v3(-34.468,23.317)
FPGA_TDI: *1.238 *6.37 | length 51
  Top Layer w0.152: *6.37@-46.4,21.8 -44.173,21.8 -42.895,23.079 -38.271,23.079 -35.763,20.571 -35.763,13.79 -35.358,13.385 -35.304,13.331 -35.07,13.331 -34.765,13.636 -34.532,13.636 -34.298,13.403 -34.298,13.169 -35.451,12.017 -35.451,11.783 -35.217,11.55 -34.984,11.55 -33.831,12.702 -33.598,12.702 -33.364,12.469 -33.364,12.235 -34.517,11.083 -34.517,10.849 -34.283,10.616 -34.05,10.616 -32.897,11.768 -32.664,11.768 -32.43,11.535 -32.43,11.301 -33.583,10.149 -33.583,9.915 -33.349,9.682 -33.116,9.682 -31.963,10.834 -31.73,10.834 -31.496,10.601 -31.496,10.367 -32.649,9.215 -32.649,8.981 -32.415,8.748 -32.182,8.748 -31.029,9.901 -30.796,9.901 -30.562,9.667 -30.562,9.434 -31.715,8.281 -31.715,8.047 -31.481,7.814 -31.248,7.814 -30.095,8.967 -29.862,8.967 -29.628,8.733 -29.628,8.5 -30.781,7.347 -30.781,7.113 -30.547,6.88 -30.314,6.88 -29.7,7.494 -29.467,7.494 -29.167,7.194 -28.966,6.993 -28.867,6.993 -28.721,6.847 *1.238@-27.671,6.847
FPGA_TDO: *1.239 *6.40 | length 47.1
  Top Layer w0.152: *6.40@-41.6,22.6 -41.555,22.555 v1(-38.43,22.555) ; v3(-34.29,22.149) -34.29,21.158 -30.442,17.31 -30.289,17.157 -30.289,17.014 -30.684,16.618 -30.684,16.475 -30.541,16.331 -30.397,16.331 -29.465,17.263 -29.321,17.263 -29.177,17.12 -29.177,16.976 -30.109,16.044 -30.109,15.9 -29.966,15.756 -29.822,15.756 -28.89,16.689 -28.746,16.689 -28.603,16.545 -28.603,16.401 -29.535,15.469 -29.535,15.325 -29.391,15.182 -29.247,15.182 -28.315,16.114 -28.172,16.114 -28.028,15.97 -28.028,15.826 -28.96,14.894 -28.96,14.751 -28.816,14.607 -28.673,14.607 -27.74,15.539 -27.597,15.539 -27.453,15.395 -27.453,15.252 -28.385,14.32 -28.385,14.176 -28.242,14.032 -28.098,14.032 -27.166,14.964 -27.022,14.964 -26.878,14.821 -26.878,14.677 -27.811,13.745 -27.811,13.601 -27.667,13.457 -27.523,13.457 -26.591,14.39 -26.447,14.39 -26.304,14.246 -26.304,14.102 -27.236,13.17 -27.236,13.026 -27.092,12.883 -26.948,12.883 -26.016,13.815 -25.873,13.815 -25.729,13.671 -25.729,13.528 -26.661,12.595 -26.661,12.452 -26.517,12.308 -26.374,12.308 -25.979,12.703 -25.835,12.703 -25.781,12.649 -24.272,11.14 *1.239@-24.272,7.596
  S2 w0.152: v1(-38.43,22.555) -34.696,22.555 v3(-34.29,22.149)
FPGA_TMS: *1.240 *6.39 | length 51
  Top Layer w0.152: *6.39@-46.4,22.6 -43.804,22.6 -43.021,23.383 -37.226,23.383 -34.95,21.107 -34.95,15.531 -33.535,14.116 -33.481,14.062 -33.355,14.062 -32.936,14.48 -32.822,14.48 -32.649,14.307 -32.649,14.193 -33.568,13.274 -33.568,13.159 -33.395,12.987 -33.28,12.987 -32.362,13.905 -32.247,13.905 -32.074,13.733 -32.074,13.618 -32.993,12.699 -32.993,12.584 -32.82,12.412 -32.705,12.412 -31.787,13.33 -31.672,13.33 -31.5,13.158 -31.5,13.043 -32.418,12.125 -32.418,12.01 -32.246,11.837 -32.131,11.837 -31.212,12.756 -31.097,12.756 -30.925,12.583 -30.925,12.468 -31.843,11.55 -31.843,11.435 -31.671,11.263 -31.556,11.263 -30.638,12.181 -30.523,12.181 -30.35,12.009 -30.35,11.894 -31.269,10.975 -31.269,10.86 -31.096,10.688 -30.981,10.688 -30.063,11.606 -29.948,11.606 -29.775,11.434 -29.775,11.319 -30.694,10.4 -30.694,10.285 -30.521,10.113 -30.406,10.113 -29.488,11.031 -29.373,11.031 -29.201,10.859 -29.201,10.744 -30.119,9.826 -30.119,9.711 -29.947,9.538 -29.832,9.538 -28.913,10.457 -28.798,10.457 -28.626,10.284 -28.626,10.169 -29.544,9.251 -29.544,9.136 -29.372,8.964 -29.257,8.964 -28.883,9.338 -28.757,9.338 -28.66,9.241 -27.671,8.252 *1.240@-27.671,7.596